# Altium PCB 04-摇杆模块-电路板图.PcbDoc
Units mm, origin at the board's own origin, x right, y up, seen from the top; angles counter-clockwise.
Board outline 71.02 x 35.3 mm, 2 copper layers (Top Layer, Bottom Layer); 8 components, 5 nets, 53 pads, 2 vias.
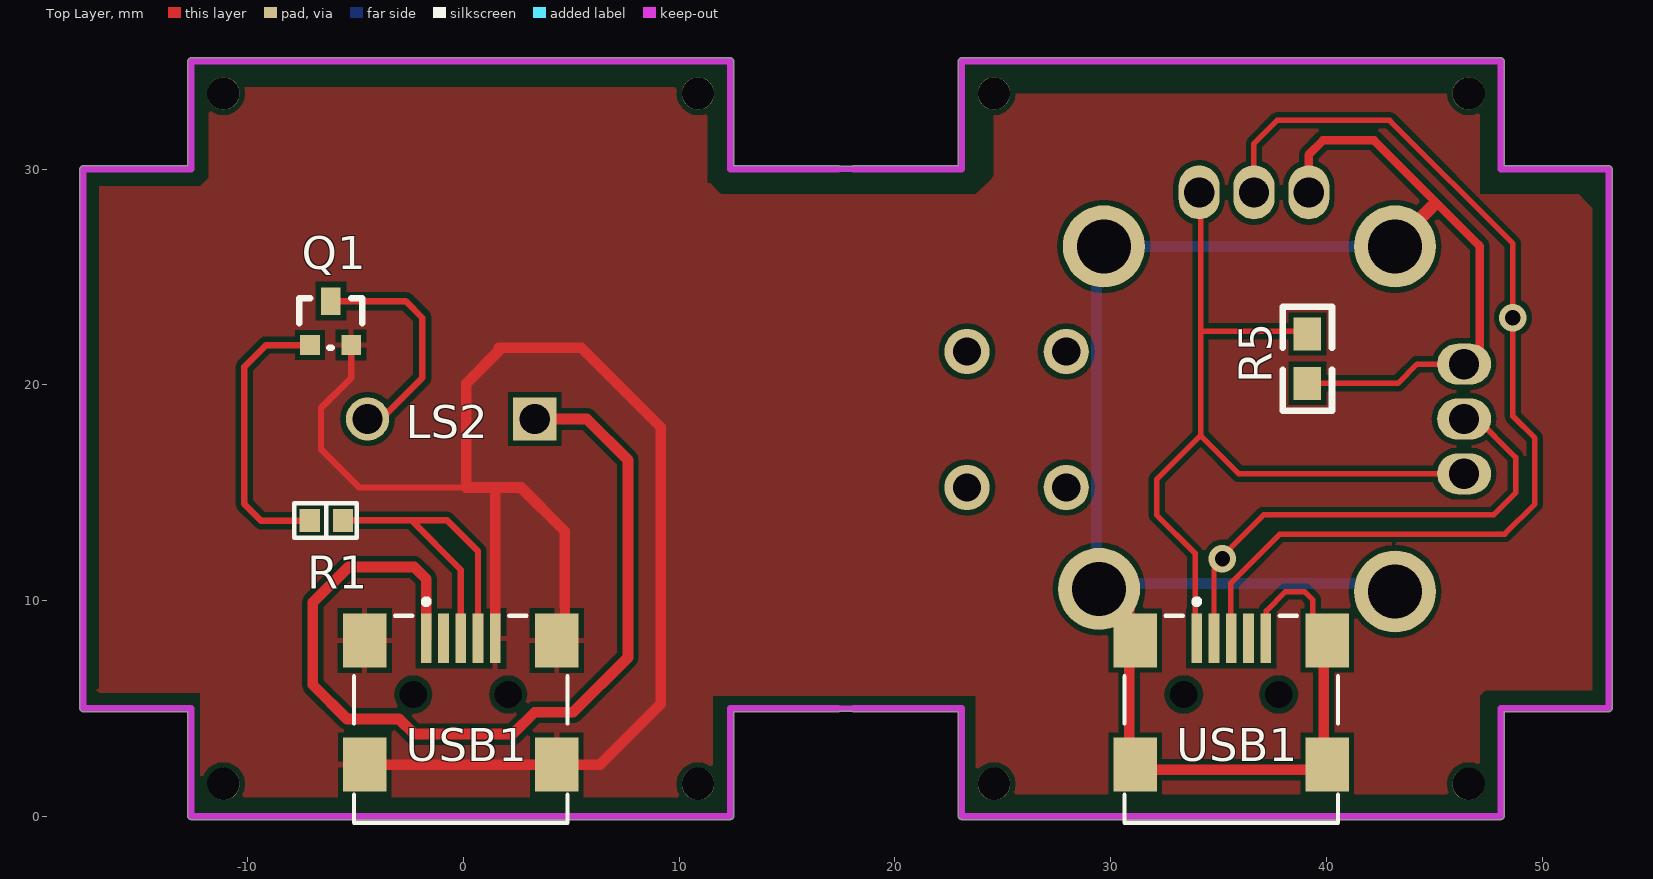
[diagram p0: Top Layer view]
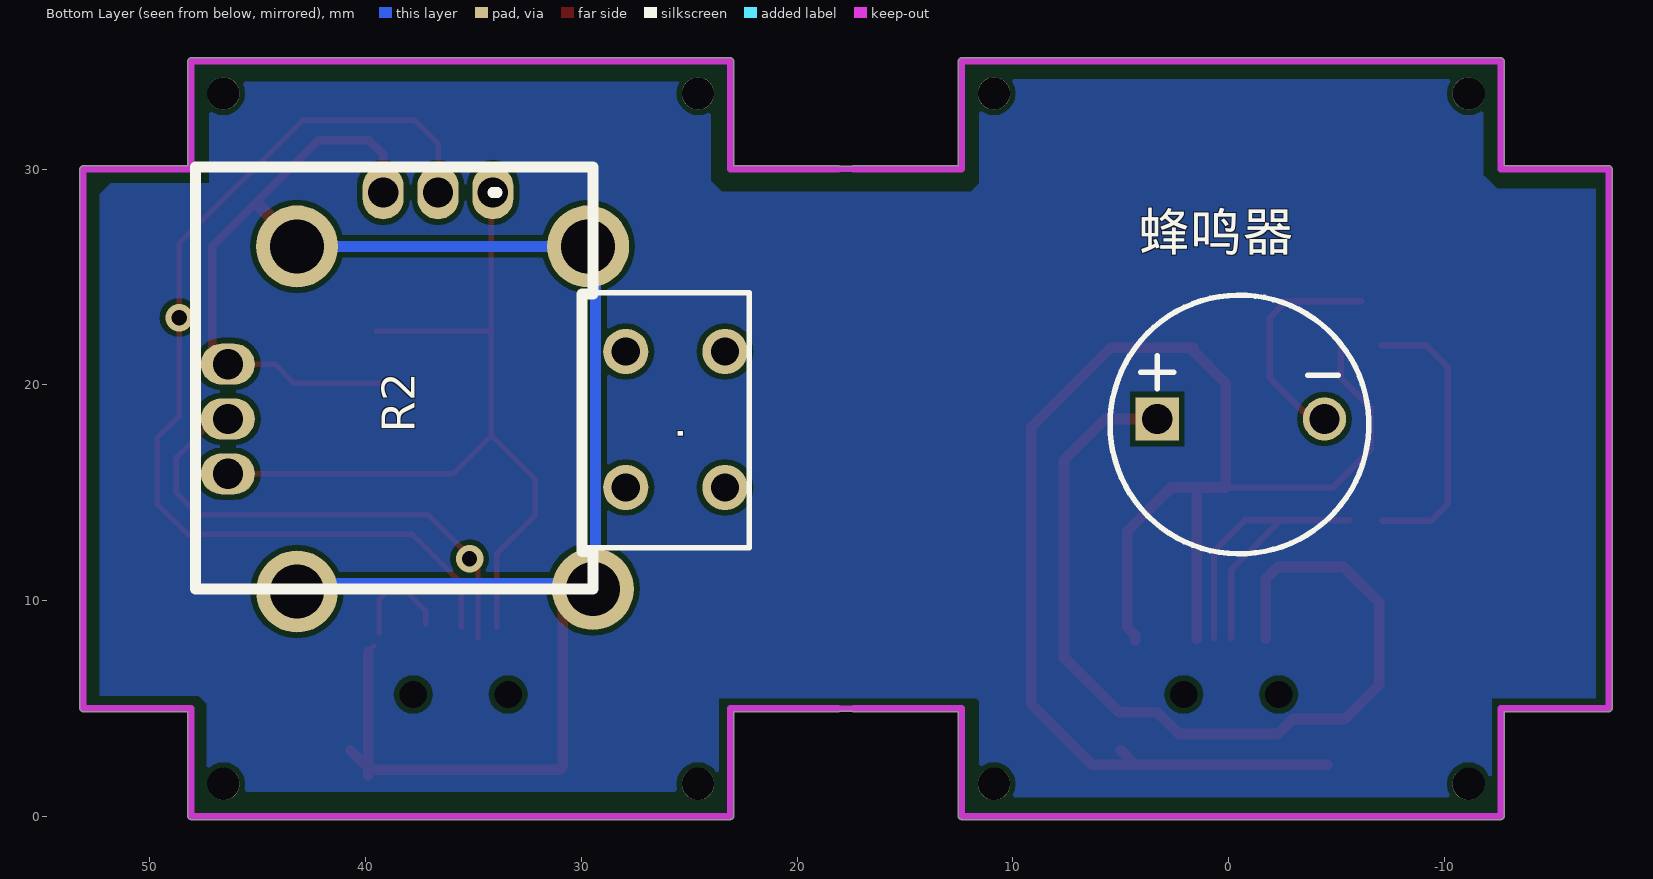
[diagram p1: Bottom Layer view, seen from below]

## Layer stack, top to bottom
Top Layer: signal copper 0.0356
Dielectric: dielectric 0.32, FR-4, Dk 4.8
Bottom Layer: signal copper 0.0356

## Board outline
-12.777,0 ccw(c-12.627,0) -12.627,-0.15 12.373,-0.15 ccw(c12.373,0) 12.523,0 12.523,4.85 17.373,4.85 ccw(c17.373,5) 17.453,4.873 18.008,4.873 ccw(c18.088,5) 18.088,4.85 22.938,4.85 22.938,0 ccw(c23.088,0) 23.088,-0.15 48.088,-0.15 ccw(c48.088,0) 48.238,0 48.238,4.85 53.088,4.85 ccw(c53.088,5) 53.238,5 53.238,30 ccw(c53.088,30) 53.088,30.15 48.238,30.15 48.238,35 ccw(c48.088,35) 48.088,35.15 23.088,35.15 ccw(c23.088,35) 22.938,35 22.938,30.15 18.088,30.15 ccw(c18.088,30) 18.008,30.127 17.453,30.127 ccw(c17.373,30) 17.373,30.15 12.523,30.15 12.523,35 ccw(c12.373,35) 12.373,35.15 -12.627,35.15 ccw(c-12.627,35) -12.777,35 -12.777,30.15 -17.627,30.15 ccw(c-17.627,30) -17.777,30 -17.777,5 ccw(c-17.627,5) -17.627,4.85 -12.777,4.85

## Design rules (kind name [scope] priority, off if disabled: settings)
Clearance [All] p1: gap=0.254
PolygonConnect [All] p1: connectstyle=Relief reliefconductorwidth=0.254 reliefentries=4 polygonreliefangle="90 Angle"
RoutingVias [All] p1: holewidth=0.711 width=1.27 viastyle="Through Hole" minholewidth=0.711 minwidth=1.27 maxholewidth=0.711 maxwidth=1.27
SilkscreenOverComponentPads [All] p1: minsilkscreentomaskgap=0.254
SolderMaskExpansion [All] p1: expansion=0.102
TestPointUsage FabricationTestPointUsage [All] p1: valid=0 allowmultiple=FALSE
Testpoint FabricationTestpoint [All] p1: side=3 testpointundercomponent=TRUE minsize=1.016 maxsize=2.54 preferedsize=1.524 minholesize=0 maxholesize=1.016 preferedholesize=0.813 testpointgrid=0.025 style=297 order=0-112345678
Width [All] p1: maxlimit=0.5 minlimit=0.3 preferedwidth=0.3
23 further rules are at their usual default settings.

## Classes and differential pairs
component class Sheet1: LS1 P1 Q1 R1

## Components (designator, comment, footprint, x,y, rotation, side; value= is the part's Value field where it differs from the comment)
. "SW DIP-2" Button 27.94,15.24 r90 bottom (schematic designator S1)
LS2 "Buzzer" ABSM-1574 4.826,18.161 r180 top (schematic designator LS1)
Q1 "2N3904" sot-23 -7.112,21.844 r0 top
R1 "Res2" r0603 -5.588,13.716 r180 top
R2 "摇杆电位器" 摇杆电位器 43.18,26.416 r270 bottom
R5 "Res2" 0805 39.116,22.352 r270 top
USB1 "USB" USB/SM0.8-6H5 0,4.715 r270 top (schematic designator USB_1)
USB1 "USB" USB/SM0.8-6H5 35.715,4.715 r270 top (schematic designator USB_1)

## Footprints (in the part's own frame and the unit in brackets; to place one, negate y for a bottom-side part, rotate by r counter-clockwise, add the part's x,y. Pads: shape width x height; smd on the part's side, far side on the other; paste and mask are expansions set on the pad)
0805 [mil]
  rect 60x50 smd: 1(0,-0.06) 2(90,-0.06)
  silkscreen extent -50,-45 140,45
ABSM-1574 [mm] "Magnetic Transducer Buzzer"
  rect 2x2 hole 1.4: 1(1.524,-0.254)
  round 2 hole 1.4: 2(9.271,-0.254)
Button [mm]
  round 2.1 hole 1.3: 1(0,0) 2(6.3,0) 3(6.3,-4.6) 4(0,-4.6)
  silkscreen extent -2.79,-5.72 9.02,2.03
r0603 [mil]
  rect 37x42 smd: 1(0,0) 2(60.5,0.5)
  silkscreen extent -25,-32 89,31
sot-23 [mil]
  rect 36x36 smd: 1(0,0) 2(75,0)
  rect 36x50 smd: 3(38,80)
  silkscreen extent -20,-5 95,85
USB/SM0.8-6H5 [mm]
  rect 2.3x0.5 smd: 1(-3.532,-1.727) 2(-3.532,-0.927) 3(-3.532,-0.127) 4(-3.532,0.673) 5(-3.532,1.473)
  rect 2.5x2 smd: 6(-3.432,4.323) 7(2.322,4.323) 8(-3.432,-4.577) 9(2.322,-4.577)
  round 0.6 hole 1.27 unplated: MH1(-0.932,2.073) MH2(-0.932,-2.327)
  silkscreen extent -5.36,-5.08 5.02,4.82
摇杆电位器 [mm]
  round 3.8 hole 2.5: 0(0,0) 0(0,13.5) 0(15.875,13.716) 0(16,0)
  oval 1.9x2.5 hole 1.4: 1(5.46,-3.2) 2(8,-3.2) 3(10.54,-3.2)
  oval 2.5x1.9 hole 1.4: 4(-2.5,4) 5(-2.5,6.54) 6(-2.5,9.08)
  silkscreen extent -3.68,-4.7 15.88,13.72

## Part data
.: "DIP Switch, 2 Position, SPST"
LS2: "Magnetic Transducer Buzzer"
Q1: "NPN General Purpose Amplifier"
R1 R5: "Resistor"
R2: library part 电位器
USB1 USB1: library part USB5

## Free pads (board coordinates)
  round 1.5 hole 1.5: 0(-11.127,1.5) 0(-11.127,33.5) 0(10.873,1.5) 0(10.873,33.5) 0(24.588,1.5) 0(24.588,33.5) 0(46.588,1.5) 0(46.588,33.5)

## Via types
v1: diameter 1.27, hole 0.711, Top Layer to Bottom Layer, 2 vias

## Nets (pads, with @x,y where several pads share a name; then routed paths per layer and width w, separated by ;. In a path a pad name is that pad's centre, name@x,y a point inside that pad or via, vN(x,y) a via of type N, cw(c..) or ccw(c..) an arc to the next point about the centre after c; other vN are vias at no path point)
GND: Q1.2 USB1.5@1.473,8.247 USB1.6@4.323,8.147 USB1.7@4.323,2.393 USB1.8@-4.577,8.147 USB1.9@-4.577,2.393 | length 74.4
  Top Layer w0.3: Q1.2 -5.207,20.32 -6.604,18.923 -6.604,17.018 -4.826,15.24 0.127,15.24
  Top Layer w0.5: USB1.9@-4.577,2.393 4.323,2.393 6.33,2.393 9.144,5.207 9.144,18.034 5.461,21.717 1.651,21.717 1.651,21.59 0.127,20.066 0.127,15.24 1.524,15.24 ; USB1.5@1.473,8.247 1.473,15.189 1.524,15.24 ; USB1.6@4.323,8.147 4.323,8.382 4.699,8.758 4.699,13.208 2.667,15.24 1.524,15.24
NetLS1_2: LS2.2 Q1.3 | length 10.7
  Top Layer w0.3: Q1.3 -2.667,23.876 -1.905,23.114 -1.905,20.32 -3.556,18.669 -4.191,18.669 LS2.2
NetP1_2: R1.1 USB1.3@-0.127,8.247 USB1.4@0.673,8.247 | length 17.3
  Top Layer w0.3: R1.1 -2.413,13.716 ; USB1.3@-0.127,8.247 -0.127,11.43 -2.413,13.716 ; USB1.4@0.673,8.247 0.673,12.281 -0.762,13.716 -2.413,13.716
NetQ1_1: Q1.1 R1.2 | length 13.2
  Top Layer w0.3: R1.2 -9.385,13.703 -10.16,14.478 -10.16,20.828 -9.144,21.844 Q1.1
VCC: LS2.1 USB1.1@-1.727,8.247 | length 44
  Top Layer w0.5: USB1.1@-1.727,8.247 -1.727,10.998 -2.286,11.557 -5.334,11.557 -6.985,9.906 -6.985,6.096 -5.397,4.508 -2.984,4.508 -2.286,3.81 2.286,3.81 3.302,4.826 5.08,4.826 7.62,7.366 7.62,16.51 5.715,18.415 LS2.1
pads on no net: ..1 ..2 ..3 ..4 R2.0 R2.1 R2.2 R2.3 R2.4 R2.5 R2.6 R5.1 R5.2 USB1.1@33.988,8.247 USB1.2 USB1.3@35.588,8.247 USB1.4@36.388,8.247 USB1.5@37.188,8.247 USB1.6@40.038,8.147 USB1.7@40.038,2.393 USB1.8@31.138,8.147 USB1.9@31.138,2.393 USB1.MH1 USB1.MH2
copper on no net: | length 221.1
  Top Layer w0.254: 28.321,9.398 28.321,9.779 ; 30.607,10.541 30.861,10.287 ; 30.861,2.286 30.988,2.159 ; 33.909,8.763 33.909,12.192 32.131,13.97 32.131,15.621 34.163,17.653 ; 34.163,22.479 39.116,22.479 ; 34.163,26.797 34.163,29.187 34.163,17.653 ; 34.788,8.247 34.788,11.42 v1@35.433,12.065 ; v1(35.179,11.938) 35.179,12.065 37.084,13.97 47.752,13.97 48.768,14.986 48.768,16.637 46.863,18.542 ; 35.433,22.479 39.497,22.479 ; 35.56,8.763 35.56,10.795 36.068,11.303 ; 35.944,11.179 37.846,13.081 48.26,13.081 49.657,14.478 49.657,17.526 48.641,18.542 48.641,26.543 42.926,32.258 37.719,32.258 36.64,31.179 36.64,28.916 ; 37.211,8.89 37.211,9.525 38.1,10.414 38.989,10.414 39.37,10.033 39.37,8.509 ; 38.989,20.066 43.206,20.066 43.307,20.066 44.197,20.956 46.38,20.956 ; 39.624,2.159 39.878,1.905 ; 39.624,7.874 39.878,7.62 ; 43.688,26.797 43.688,27.049 ; 46.227,16.384 46.609,16.002 ; 46.38,15.876 35.94,15.876 34.163,17.653 ; 46.99,20.955 47.112,21.077
  Top Layer w0.4: 39.18,28.916 39.18,30.671 39.838,31.329 42.204,31.329 47.053,26.479 ; 47.112,21.077 47.112,26.421
  Top Layer w0.5: 4.323,2.393 4.978,3.048 ; 28.321,9.779 29.083,10.541 30.607,10.541 ; 30.861,2.286 30.861,10.287 ; 30.988,2.159 39.624,2.159 ; 39.878,1.905 39.878,7.62 ; 40.038,2.393 40.693,3.048
  Top Layer w0.6: 43.688,27.049 44.868,28.229
  Bottom Layer w0.5: 42.926,26.416 29.337,26.416 29.337,10.795 42.801,10.795 43.055,10.541
  other v1: 48.641,23.114

## Polygon pours and split planes (outlines as drawn)
GND on Top Layer "Top Layer-No Net" (solid): -16.891,29.21 -12.192,29.21 -11.811,29.591 -11.811,33.782 10.591,33.782 10.873,33.5 11.303,33.07 11.303,29.337 11.43,29.337 11.811,28.956 11.938,28.829 23.622,28.829 23.749,28.829 24.384,29.464 24.588,29.668 24.588,33.5 46.708,33.5 46.863,33.655 47.117,33.401 47.117,28.829 51.689,28.829 52.07,28.448 52.324,28.194 52.324,5.842 47.371,5.842 47.117,5.588 47.117,1.016 23.876,1.016 23.749,0.889 23.749,5.588 11.557,5.588 11.176,5.969 11.557,5.588 11.557,0.889 -11.684,0.889 -12.065,1.27 -12.192,1.397 -12.192,5.715 -16.891,5.715 -17.018,5.842 -16.891,5.969 -16.891,29.21
GND on Bottom Layer "Top Layer-No Net" (solid): -17.018,29.083 -12.446,29.083 -11.938,29.591 -11.811,29.718 -11.811,34.163 11.049,34.163 11.303,33.909 11.557,33.655 11.557,29.337 11.938,28.956 22.86,28.956 23.495,28.956 23.876,29.337 24.003,29.464 24.003,34.036 47.117,34.036 47.244,34.163 47.244,29.337 51.816,29.337 52.324,28.829 52.324,5.588 47.752,5.588 47.625,5.461 47.371,5.207 47.371,1.143 23.876,1.143 23.749,1.016 23.622,1.143 23.622,5.461 11.684,5.461 11.557,5.334 11.557,0.889 -11.811,0.889 -11.938,0.762 -12.192,1.016 -12.192,5.461 -17.018,5.461 -17.145,5.334 -17.018,5.461 -17.018,29.337

## Keep-outs
Keep-Out Layer:
  lines w0.254: 16.256,30 19.304,30 ; 17.145,5 18.796,5
  lines w0.3: -12.601,0 11.275,0 ; 17.373,5 12.373,5 12.373,0 -12.627,0 -12.627,5 -17.627,5 -17.627,30 -12.627,30 -12.627,35 12.373,35 12.373,30 17.373,30 ; 18.088,5 23.088,5 23.088,0 48.088,0 48.088,5 53.088,5 53.088,30 48.088,30 48.088,35 23.088,35 23.088,30 18.088,30 ; 23.114,0 46.99,0

## Silkscreen, mask and mechanical layers (free items; w line width, h text height)
Bottom Overlay:
  circle w0.254: c-0.508,18.161 r6
  lines w0.254: -5.08,20.447 -3.683,20.447 ; 2.54,20.574 4.064,20.574 ; 3.302,19.812 3.302,21.336
  text "蜂鸣器" at 4.191,25.654 h3